# Altium PCB Board_Layout_Test.PcbDoc (part 1 of 2)
Units mil, origin at the board's own origin, x right, y up, seen from the top; angles counter-clockwise.
Board outline 4520 x 2430 mil, 4 copper layers (Top Layer, Power, Ground, Bottom Layer); 163 components, 141 nets, 661 pads, 470 vias.
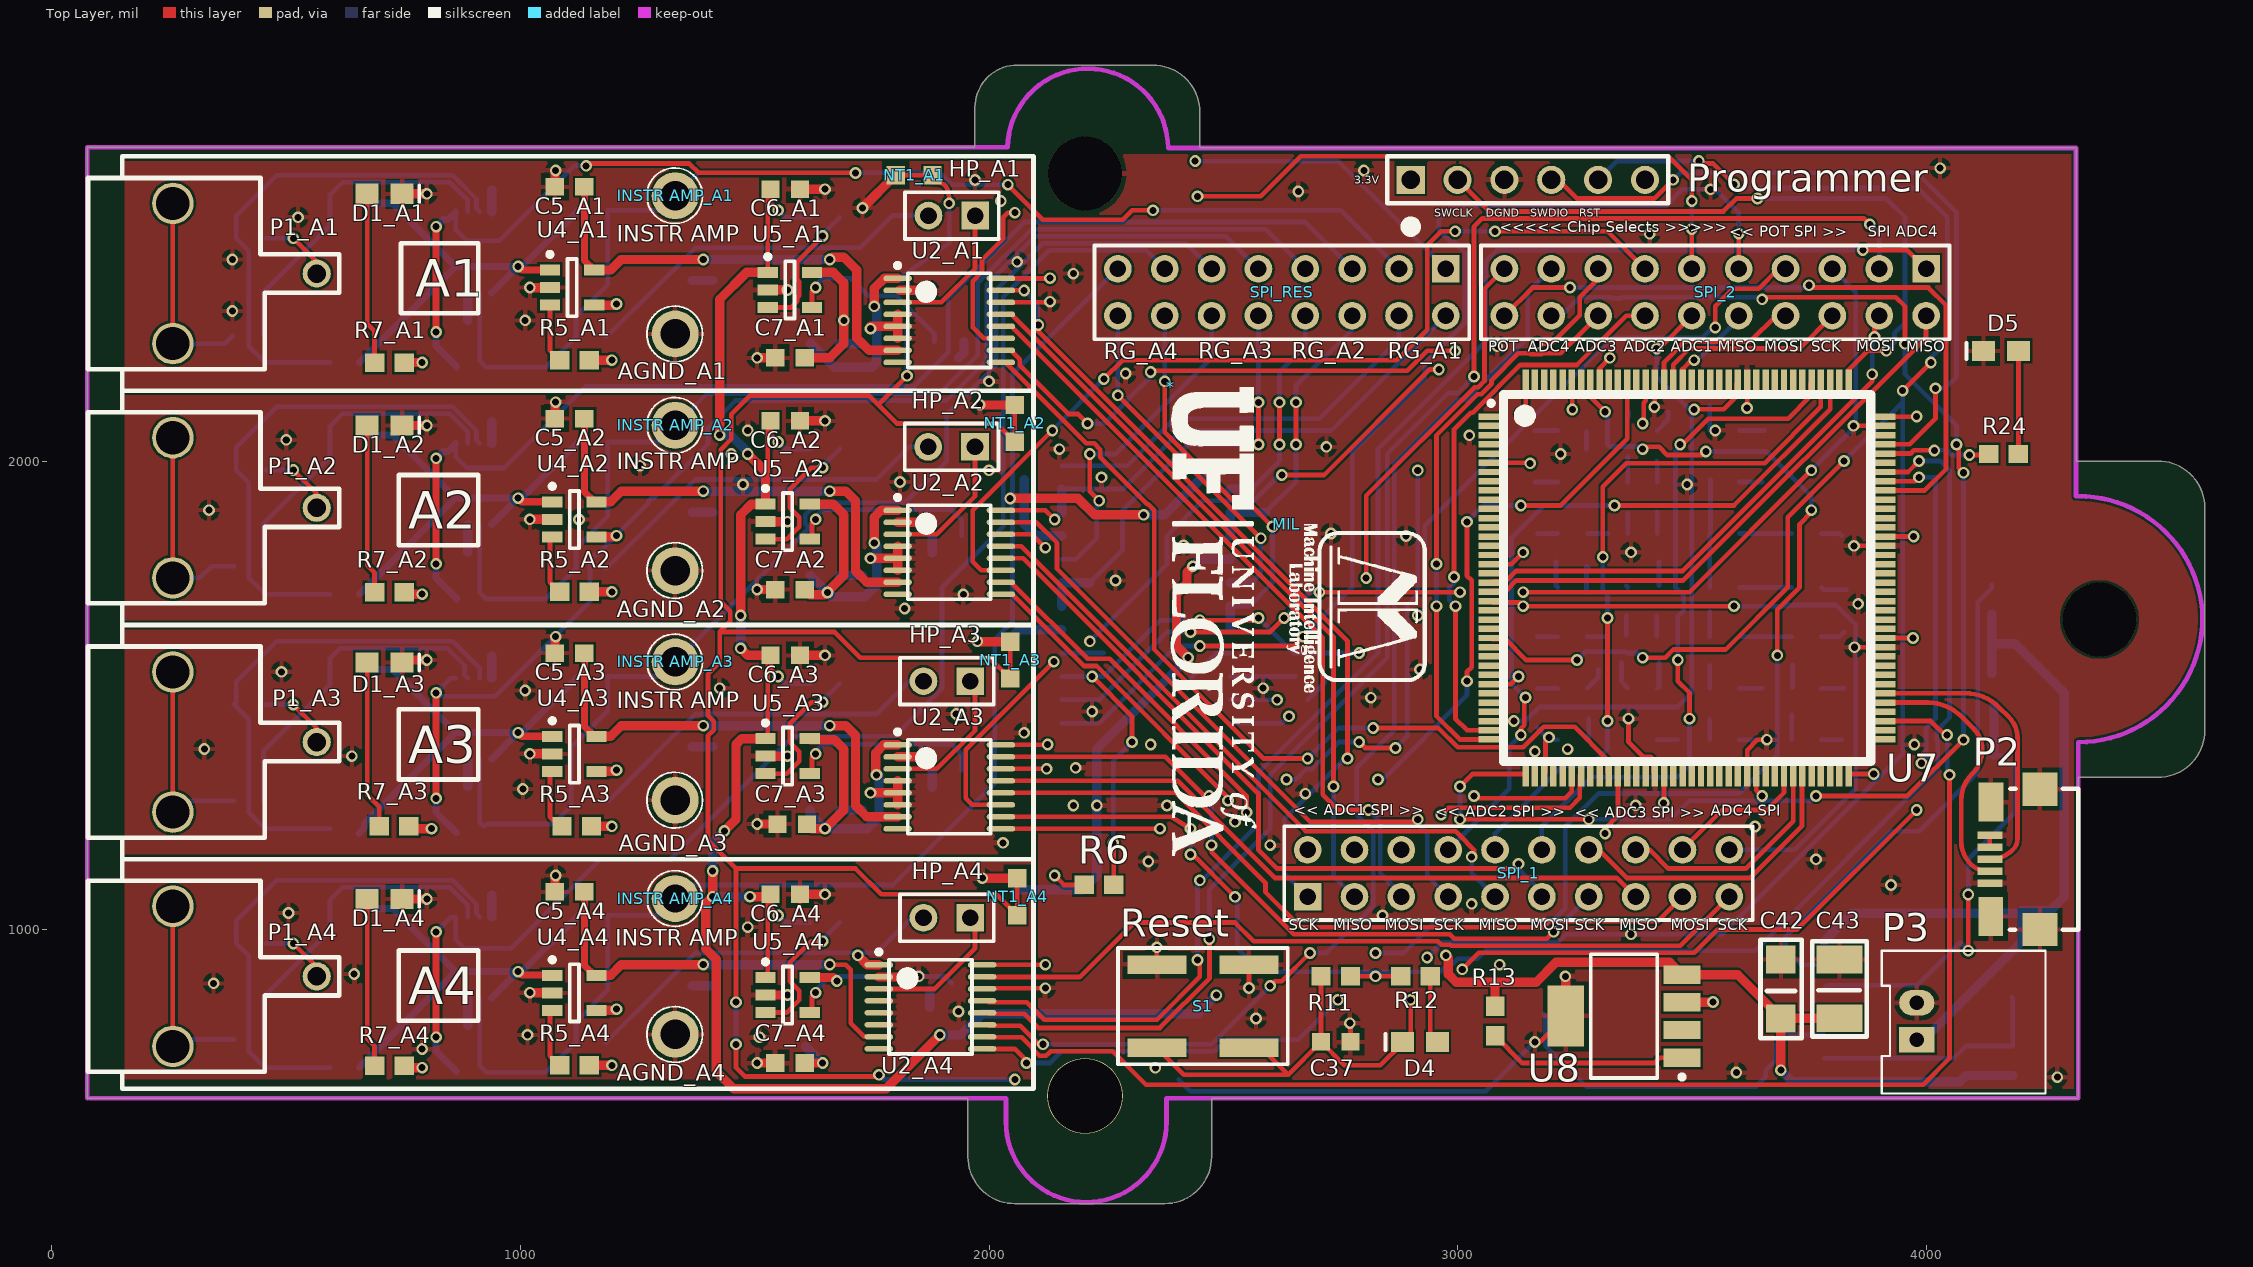
[diagram p0: Top Layer view]
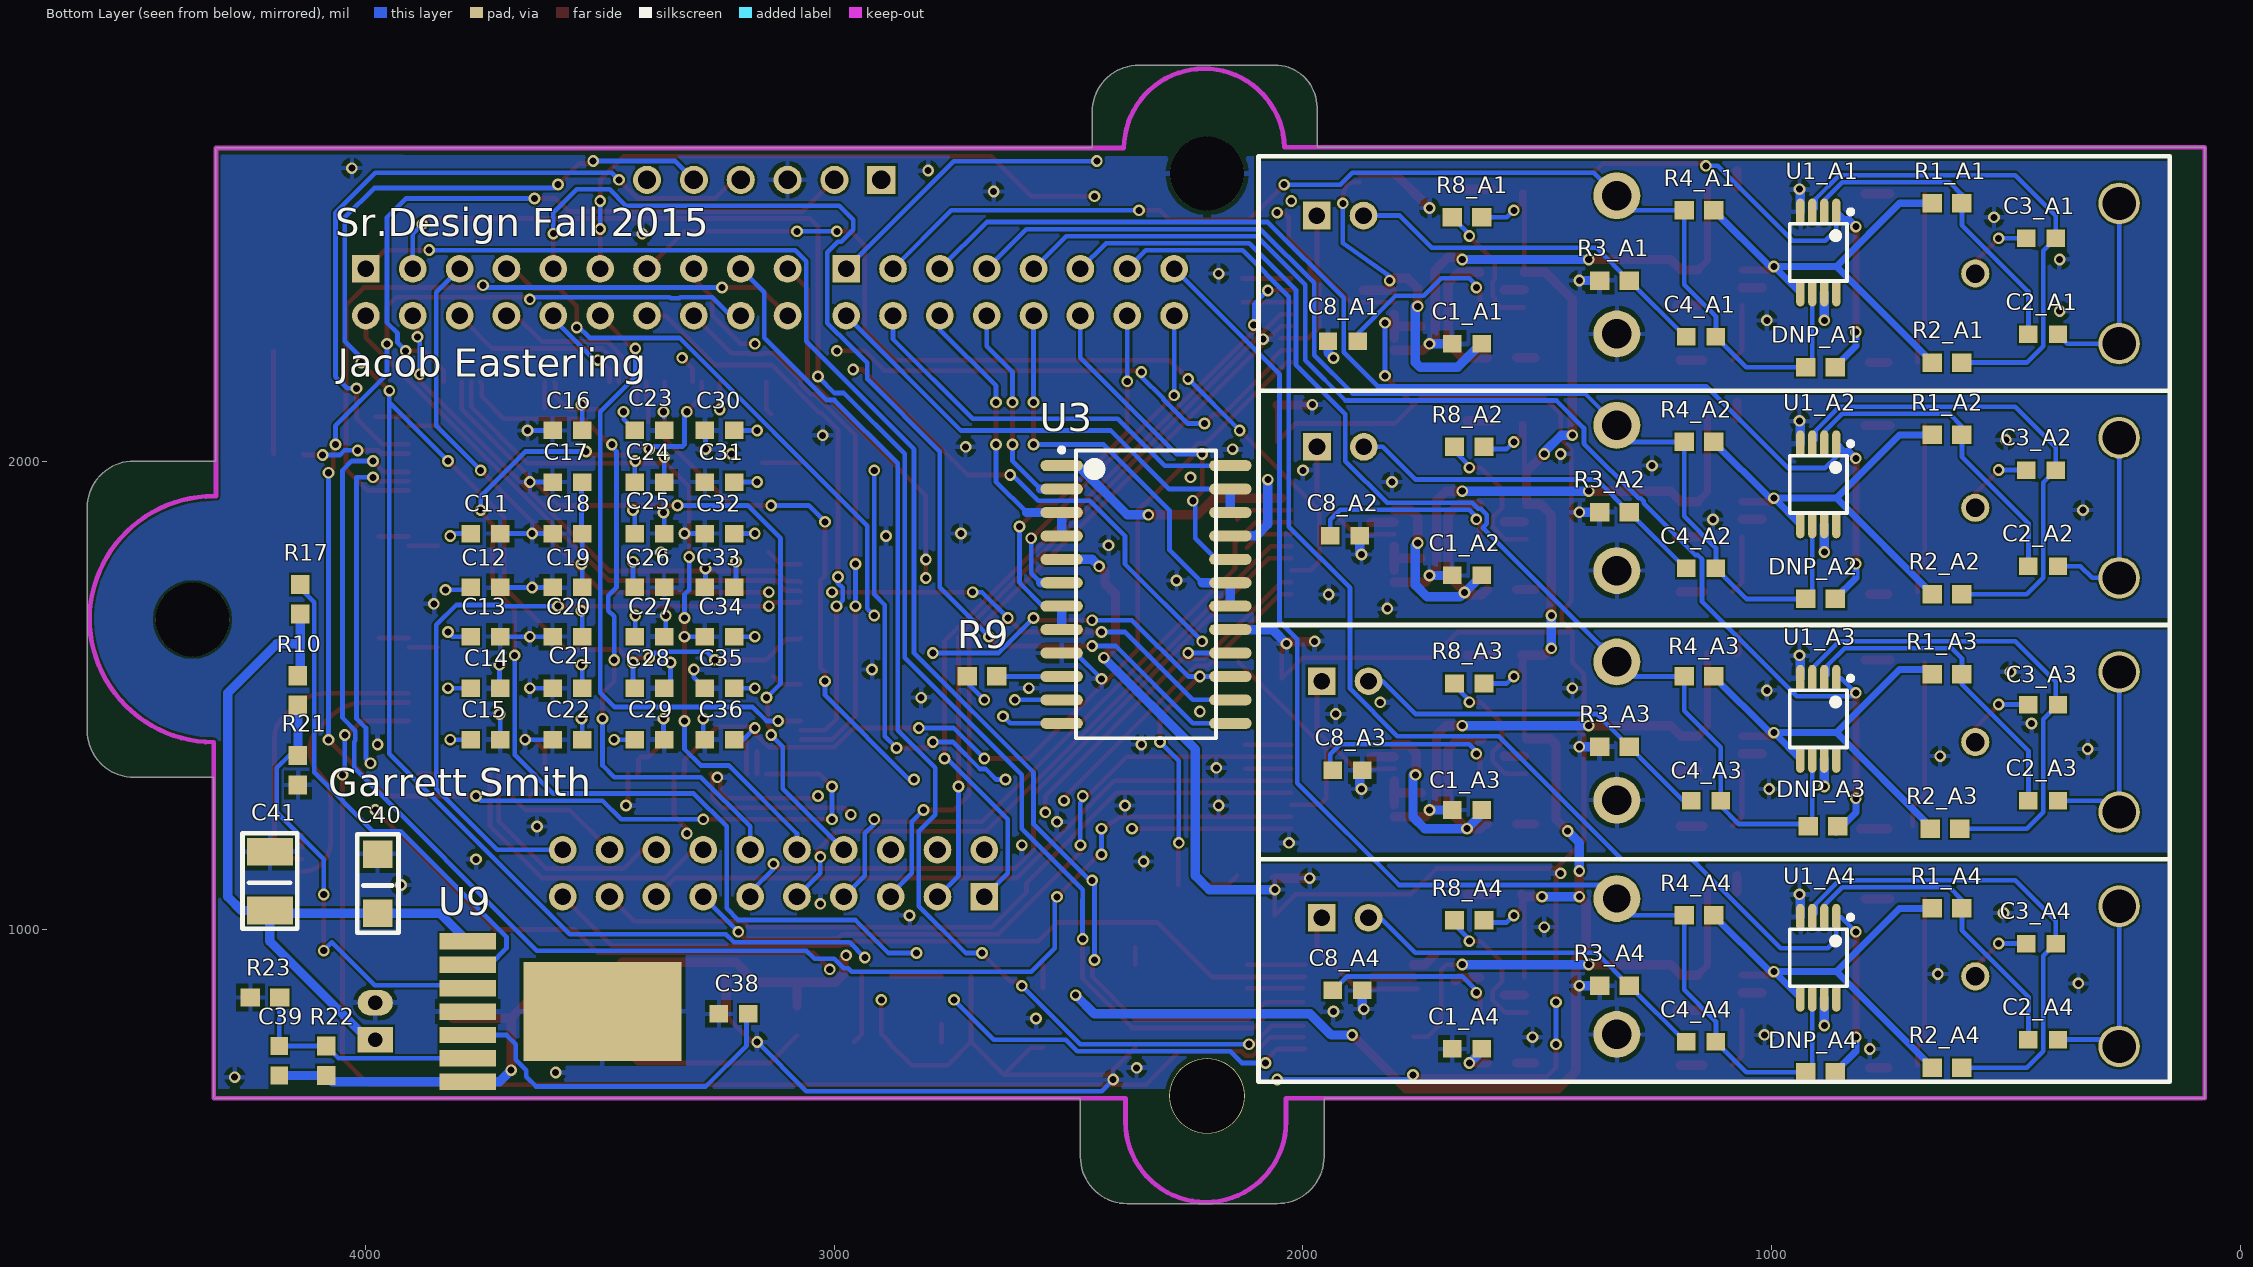
[diagram p1: Bottom Layer view, seen from below]
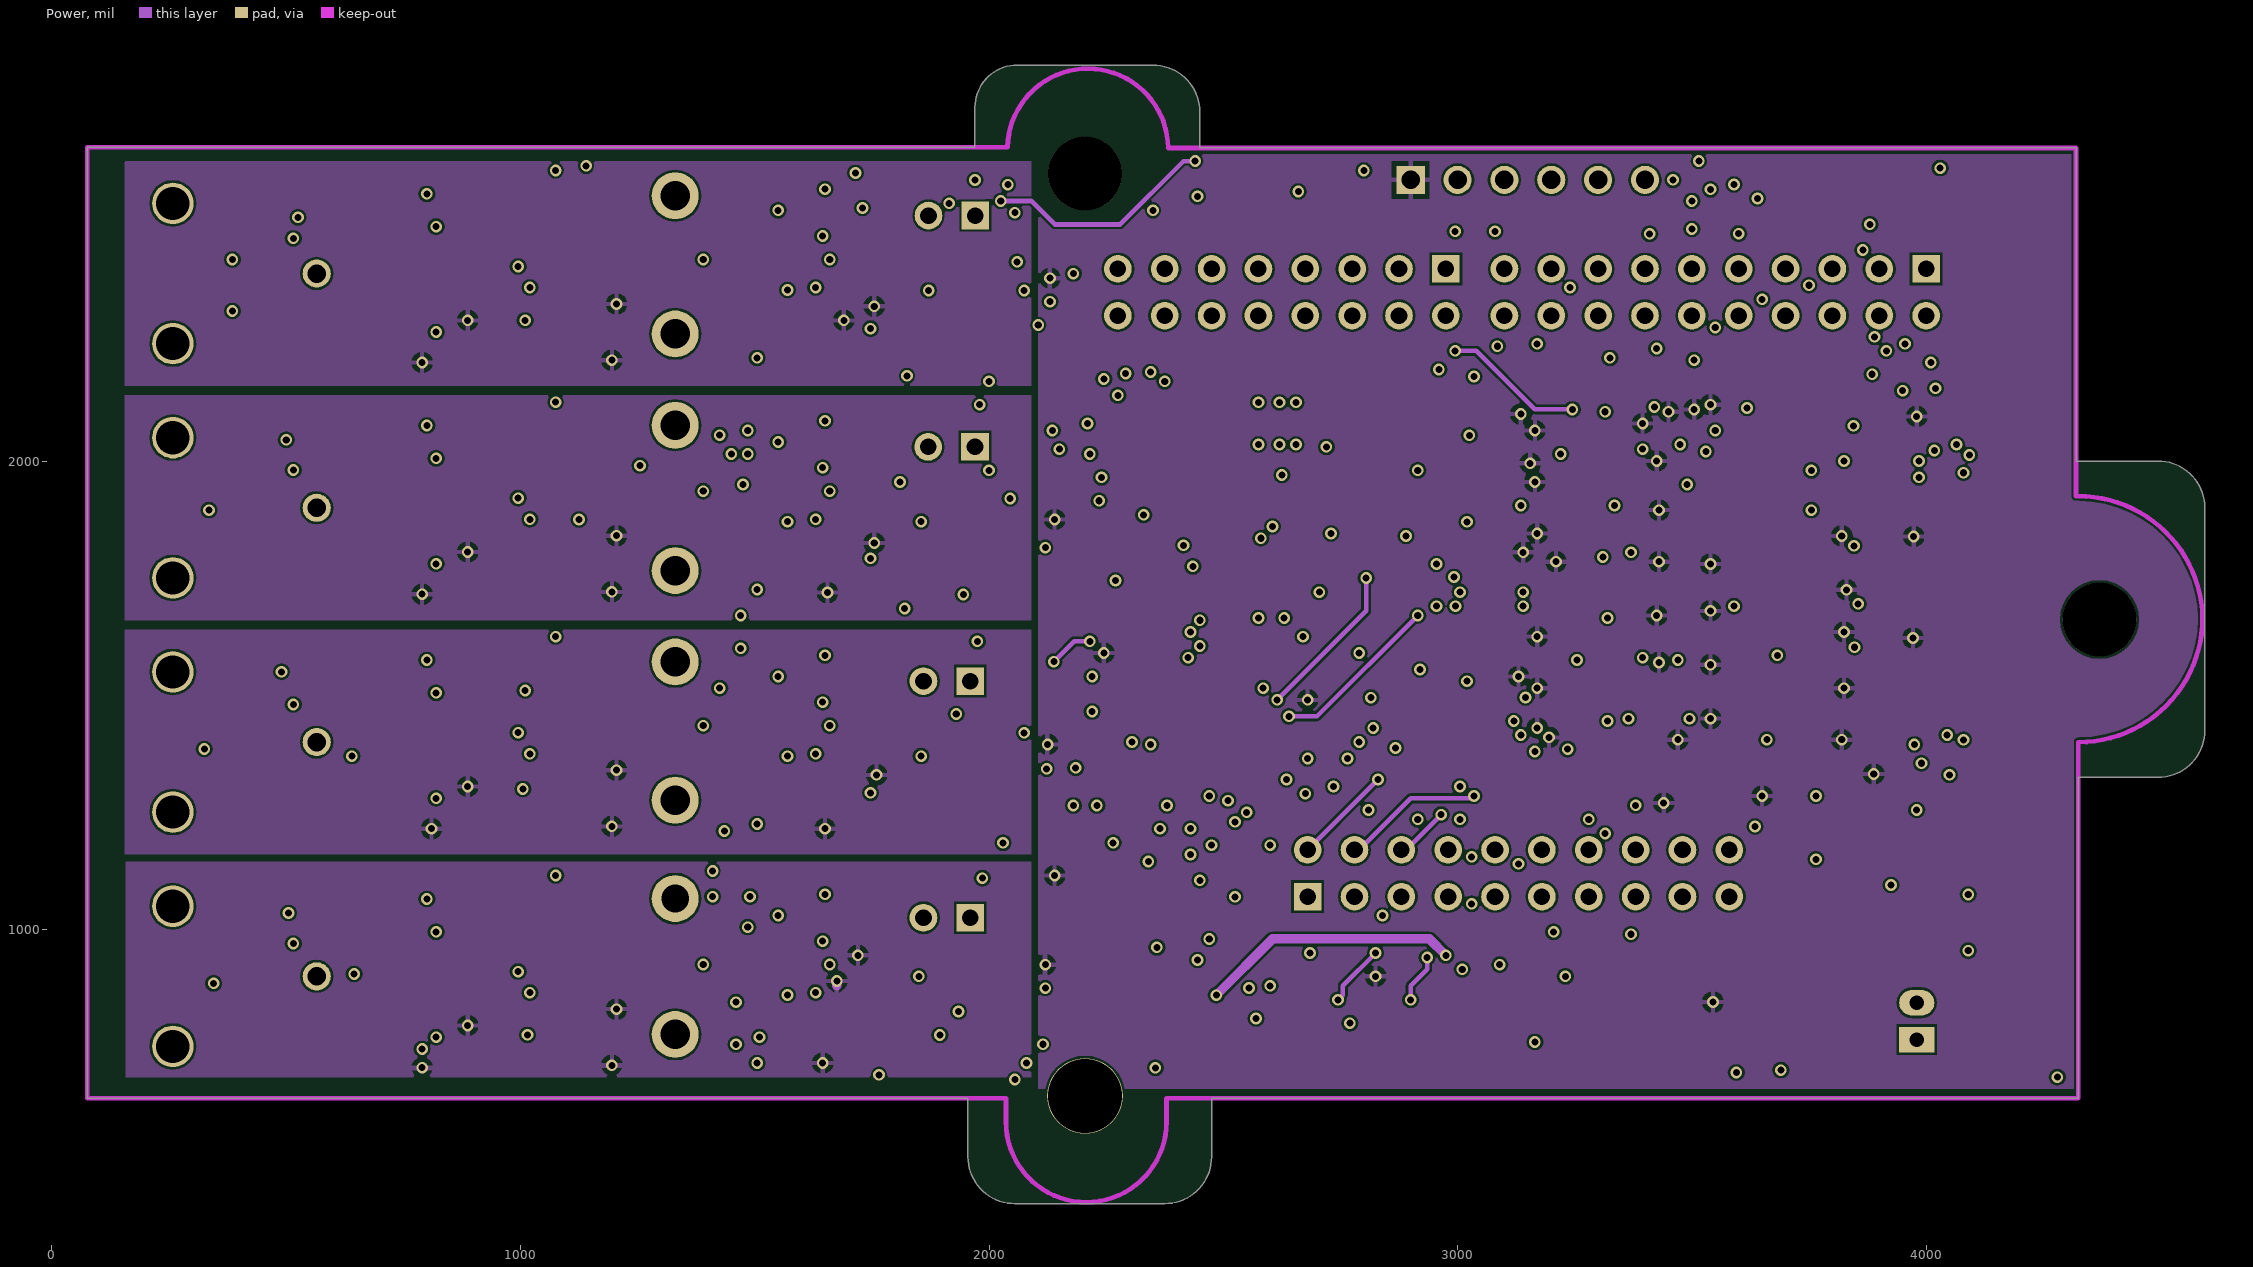
[diagram p2: Power]
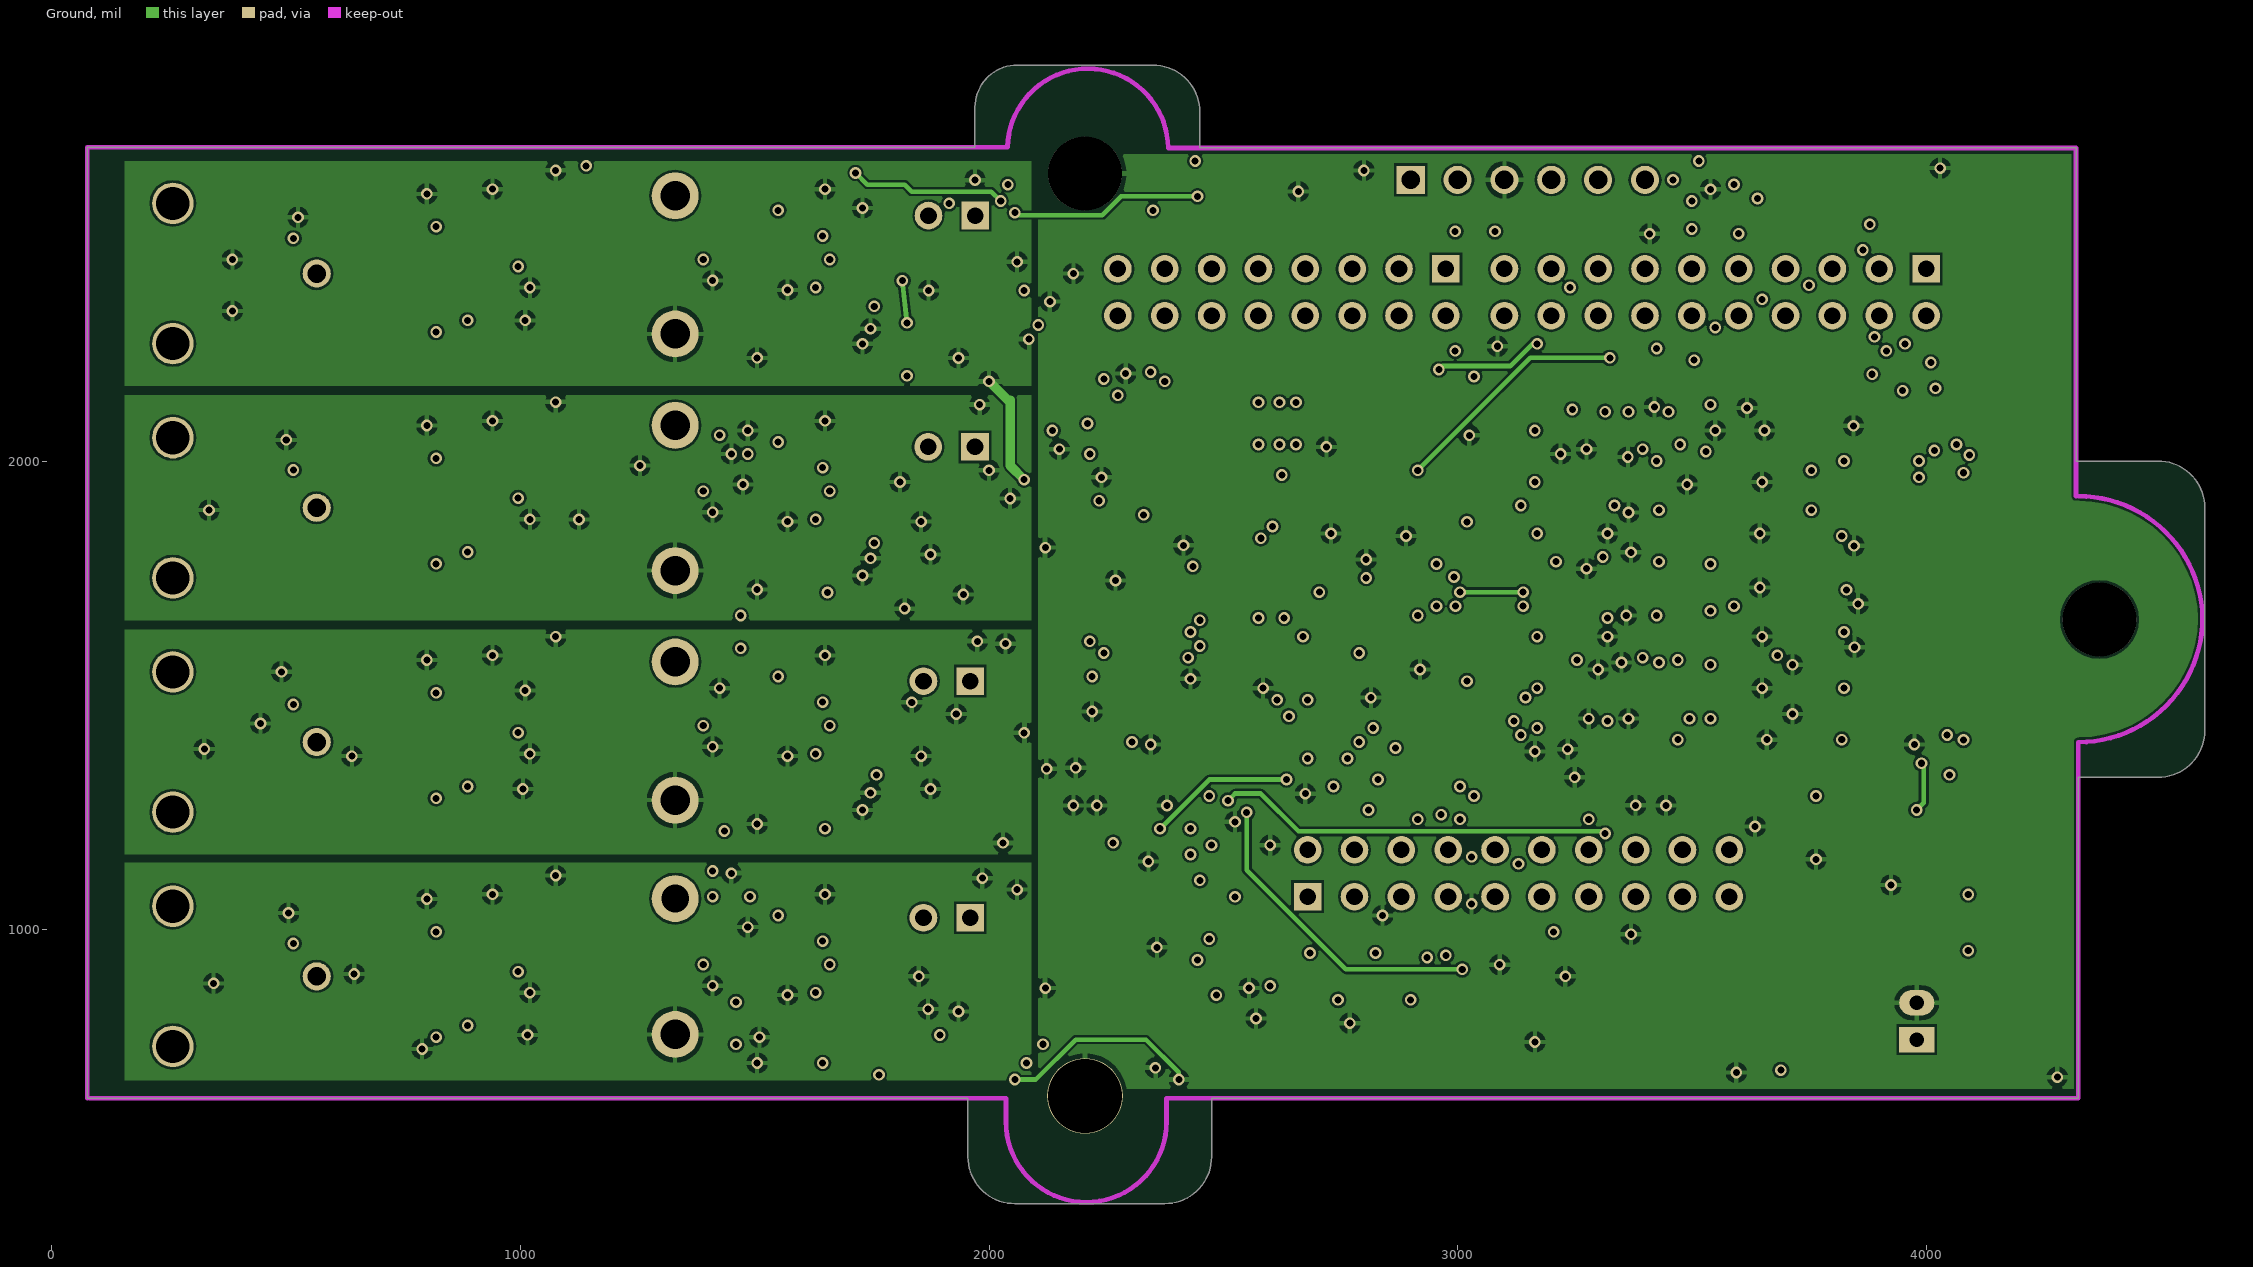
[diagram p3: Ground]

## Layer stack, top to bottom
Top Layer: signal copper 1.4
Dielectric: core 12.6, FR-4, Dk 4.8
Power: signal copper 1.4
Dielectric: prepreg 12.6, FR-4, Dk 4.8
Ground: signal copper 1.4
Dielectric: core 12.6, FR-4, Dk 4.8
Bottom Layer: signal copper 1.4

## Board outline
4325,640 2475,640 2475,525 2475,515 cw(c2375,515) 2375,415 2205,415 2055,415 cw(c2055,515) 1955,515 1955,640.05 75,640.05 75,2670 1970,2670 1970,2755 cw(c2060,2755) 2060,2845 2205,2845 2350,2845 cw(c2350,2745) 2450,2745 2450,2668.22 4320,2668.22 4320,2000 4495,2000 cw(c4495,1900) 4595,1900 4595,1670 4595,1425 cw(c4495,1425) 4495,1325 4325,1325 4325,640

## Design rules (kind name [scope] priority, off if disabled: settings)
Clearance [All] p1: gap=5
HoleSize [All] p1: absolutevalues=TRUE maxlimit=160 minlimit=1 maxpercent=80.000 minpercent=20.000
PolygonConnect [All] p1: connectstyle=Relief reliefconductorwidth=10 reliefentries=4 polygonreliefangle="90 Angle" airgapwidth=10
RoomDefinition A2 [InComponentClass('A2')] p1: confinementstyle=ConfineIn formatcopy=TRUE lockcomponents=FALSE outline 50,1655.73 2090,1655.73 2090,2155.73 50,2155.73
RoomDefinition A1 [InComponentClass('A1')] p2: confinementstyle=ConfineIn formatcopy=TRUE lockcomponents=FALSE outline 50,2150.21 2090,2150.21 2090,2650.21 50,2650.21
RoomDefinition A4 [InComponentClass('A4')] p3: confinementstyle=ConfineIn formatcopy=TRUE lockcomponents=FALSE outline 50,645.21 2090,645.21 2090,1145.21 50,1145.21
RoomDefinition A3 [InComponentClass('A3')] p4: confinementstyle=ConfineIn formatcopy=TRUE lockcomponents=FALSE outline 50,1155.21 2090,1155.21 2090,1655.21 50,1655.21
RoutingCorners [All] p1: cornerstyle=Round minsetback=100 maxsetback=100
RoutingVias [All] p1: holewidth=15 width=25 viastyle="Through Hole" minholewidth=15 minwidth=25 maxholewidth=28 maxwidth=50
SilkToSolderMaskClearance [IsPad] p1: minsilkscreentomaskgap=4.92 clearancetoexposedcopper=TRUE
SolderMaskExpansion [All] p1: expansion=4
Width [All] p1: maxlimit=20 minlimit=10 preferedwidth=10
Width APWR [InNetClass('APower')] p2: maxlimit=20 minlimit=20 preferedwidth=20
Width AGND [InNetClass('AGround')] p3: maxlimit=20 minlimit=10 preferedwidth=20
25 further rules are at their usual default settings.

## Classes and differential pairs
component class Top_Level_Test: * MIL
channel class Analog_Test: A1 A2 A3 A4
component class U_Digital: C11 C12 C13 C14 C15 C16 C17 C18 C19 C20 C21 C22 C23 C24 C25 C26 C27 C28 C29 C30 C31 C32 C33 C34 C35 C36 C37 C38 C39 C40 C41 C42 C43 D4 D5 P2 P3 Programmer R6 R9 R10 R11 R12 R13 R17 R21 R22 R23 R24 S1 SPI_1 SPI_2 SPI_RES U3 U7 U8 U9
net class APower: 4.2V_A1 4.2V_A2 4.2V_A3 4.2V_A4
net class AGround: AGND1 AGND2 AGND3 AGND4
component class A4: AGND AGND_A4 C1_A4 C1_U_Analog1 C2_A4 C2_U_Analog1 C3_A4 C3_U_Analog1 C4_A4 C4_U_Analog1 C5_A4 C5_U_Analog1 C6_A4 C6_U_Analog1 C7_A4 C7_U_Analog1 C8_A4 C8_U_Analog1 D1 D1_A4 DNP DNP_A4 HP HP_A4 "INSTR AMP_A4" NT1_A4 P1_A4 R1_A4 R1_U_Analog1 R2_A4 R2_U_Analog1 R3_A4 R3_U_Analog1 R4_A4 R4_U_Analog1 R5_A4 R5_U_Analog1 R6_U_Analog1 R7_A4 R8_A4 T1_U_Analog1 U1_A4 U2 U2_A4 U4_A4 U5_A4
component class A3: AGND AGND_A3 C1_A3 C1_U_Analog2 C2_A3 C2_U_Analog2 C3_A3 C3_U_Analog2 C4_A3 C4_U_Analog2 C5_A3 C5_U_Analog2 C6_A3 C6_U_Analog2 C7_A3 C7_U_Analog2 C8_A3 C8_U_Analog2 D1 D1_A3 DNP DNP_A3 HP HP_A3 "INSTR AMP_A3" NT1_A3 P1_A3 R1_A3 R1_U_Analog2 R2_A3 R2_U_Analog2 R3_A3 R3_U_Analog2 R4_A3 R4_U_Analog2 R5_A3 R5_U_Analog2 R6_U_Analog2 R7_A3 R8_A3 T1_U_Analog2 U1_A3 U2 U2_A3 U4_A3 U5_A3
component class A2: AGND AGND_A2 C1_A2 C1_U_Analog3 C2_A2 C2_U_Analog3 C3_A2 C3_U_Analog3 C4_A2 C4_U_Analog3 C5_A2 C5_U_Analog3 C6_A2 C6_U_Analog3 C7_A2 C7_U_Analog3 C8_A2 C8_U_Analog3 D1 D1_A2 DNP DNP_A2 HP HP_A2 "INSTR AMP_A2" NT1_A2 P1_A2 R1_A2 R1_U_Analog3 R2_A2 R2_U_Analog3 R3_A2 R3_U_Analog3 R4_A2 R4_U_Analog3 R5_A2 R5_U_Analog3 R6_U_Analog3 R7_A2 R8_A2 T1_U_Analog3 U1_A2 U2 U2_A2 U4_A2 U5_A2
component class A1: AGND AGND_A1 C1_A1 C1_U_Analog4 C2_A1 C2_U_Analog4 C3_A1 C3_U_Analog4 C4_A1 C4_U_Analog4 C5_A1 C5_U_Analog4 C6_A1 C6_U_Analog4 C7_A1 C7_U_Analog4 C8_A1 C8_U_Analog4 D1 D1_A1 DNP DNP_A1 HP HP_A1 "INSTR AMP_A1" NT1_A1 P1_A1 R1_A1 R1_U_Analog4 R2_A1 R2_U_Analog4 R3_A1 R3_U_Analog4 R4_A1 R4_U_Analog4 R5_A1 R5_U_Analog4 R6_U_Analog4 R7_A1 R8_A1 T1_U_Analog4 U1_A1 U2 U2_A1 U4_A1 U5_A1

## Components (designator, comment, footprint, x,y, rotation, side; value= is the part's Value field where it differs from the comment)
* "UF LOGO" "UF LOGO-1000" 2387.62,2157.6 r270 top
AGND_A1 "Test_Point" TP#1 1330,2270.21 r90 top (schematic designator AGND)
AGND_A2 "Test_Point" TP#1 1330,1765.21 r90 top (schematic designator AGND)
AGND_A3 "Test_Point" TP#1 1330,1275.21 r90 top (schematic designator AGND)
AGND_A4 "Test_Point" TP#1 1330,775.21 r90 top (schematic designator AGND)
C1_A1 "Cap" CAPC0603 1650,2250.21 r180 bottom (schematic designator C1)
C1_A2 "Cap" CAPC0603 1650,1755.73 r180 bottom (schematic designator C1)
C1_A3 "Cap" CAPC0603 1650,1255.21 r180 bottom (schematic designator C1)
C1_A4 "Cap" CAPC0603 1650,745.21 r180 bottom (schematic designator C1)
C2_A1 "Cap" CAPC0603 420,2270.21 r0 bottom (schematic designator C2)
C2_A2 "Cap" CAPC0603 420,1775.73 r0 bottom (schematic designator C2)
C2_A3 "Cap" CAPC0603 420,1275.21 r0 bottom (schematic designator C2)
C2_A4 "Cap" CAPC0603 420,765.21 r0 bottom (schematic designator C2)
C3_A1 "Cap" CAPC0603 425,2475.21 r180 bottom (schematic designator C3)
C3_A2 "Cap" CAPC0603 425,1980.73 r180 bottom (schematic designator C3)
C3_A3 "Cap" CAPC0603 420,1480.21 r180 bottom (schematic designator C3)
C3_A4 "Cap" CAPC0603 425,970.21 r180 bottom (schematic designator C3)
C4_A1 "Cap" CAPC0603 1150,2265.21 r0 bottom (schematic designator C4)
C4_A2 "Cap" CAPC0603 1150,1770.73 r0 bottom (schematic designator C4)
C4_A3 "Cap" CAPC0603 1140,1275.21 r0 bottom (schematic designator C4)
C4_A4 "Cap" CAPC0603 1150,760.21 r0 bottom (schematic designator C4)
C5_A1 "Cap" CAPC0603 1105,2585.21 r0 top (schematic designator C5)
C5_A2 "Cap" CAPC0603 1105,2090.73 r0 top (schematic designator C5)
C5_A3 "Cap" CAPC0603 1105,1590.21 r0 top (schematic designator C5)
C5_A4 "Cap" CAPC0603 1105,1080.21 r0 top (schematic designator C5)
C6_A1 "Cap" CAPC0603 1565,2580.21 r180 top (schematic designator C6)
C6_A2 "Cap" CAPC0603 1565,2085.73 r180 top (schematic designator C6)
C6_A3 "Cap" CAPC0603 1565,1585.21 r180 top (schematic designator C6)
C6_A4 "Cap" CAPC0603 1565,1075.21 r180 top (schematic designator C6)
C7_A1 "Cap" CAPC0603 1575,2220.21 r0 top (schematic designator C7)
C7_A2 "Cap" CAPC0603 1575,1725.73 r0 top (schematic designator C7)
C7_A3 "Cap" CAPC0603 1580,1225.21 r0 top (schematic designator C7)
C7_A4 "Cap" CAPC0603 1575,715.21 r0 top (schematic designator C7)
C8_A1 "Cap" CAPC0603 1915,2255.21 r180 bottom (schematic designator C8)
C8_A2 "Cap" CAPC0603 1910,1840.73 r0 bottom (schematic designator C8)
C8_A3 "Cap" CAPC0603 1905,1340.21 r0 bottom (schematic designator C8)
C8_A4 "Cap" CAPC0603 1905,870.21 r0 bottom (schematic designator C8)
C11 "Cap" CAPC0603 3745,1845.21 r180 bottom
C12 "Cap" CAPC0603 3745,1730.21 r180 bottom
C13 "Cap" CAPC0603 3745,1625.21 r180 bottom
C14 "Cap" CAPC0603 3745,1515.21 r180 bottom
C15 "Cap" CAPC0603 3745,1405.21 r180 bottom
C16 "Cap" CAPC0603 3570,2065.21 r0 bottom
C17 "Cap" CAPC0603 3570,1955.21 r0 bottom
C18 "Cap" CAPC0603 3570,1845.21 r0 bottom
C19 "Cap" CAPC0603 3570,1730.21 r0 bottom
C20 "Cap" CAPC0603 3570,1625.21 r0 bottom
C21 "Cap" CAPC0603 3570,1515.21 r0 bottom
C22 "Cap" CAPC0603 3570,1405.21 r0 bottom
C23 "Cap" CAPC0603 3395,2065.21 r180 bottom
C24 "Cap" CAPC0603 3395,1955.21 r180 bottom
C25 "Cap" CAPC0603 3395,1845.21 r180 bottom
C26 "Cap" CAPC0603 3395,1730.21 r180 bottom
C27 "Cap" CAPC0603 3395,1625.21 r180 bottom
C28 "Cap" CAPC0603 3395,1515.21 r180 bottom
C29 "Cap" CAPC0603 3395,1405.21 r180 bottom
C30 "Cap" CAPC0603 3245,2065.21 r0 bottom
C31 "Cap" CAPC0603 3245,1955.21 r0 bottom
C32 "Cap" CAPC0603 3245,1845.21 r0 bottom
C33 "Cap" CAPC0603 3245,1730.21 r0 bottom
C34 "Cap" CAPC0603 3245,1625.21 r0 bottom
C35 "Cap" CAPC0603 3245,1515.21 r0 bottom
C36 "Cap" CAPC0603 3245,1405.21 r0 bottom
C37 "Cap" CAPC0603 2740,760.21 r0 top
C38 "Cap" CAPC0603 3215,820 r180 bottom
C39 "Cap" CAPC0603 4185,720 r270 bottom
C40 "Cap1206" CAP1206 3975,1035 r270 bottom
C41 "CAP1210" CAP1210 4205,1040 r270 bottom
C42 "Cap1206" CAP1206 3690,810 r270 top
C43 "CAP1210" CAP1210 3815,810 r270 top
D1_A1 "LED-RED" LED0805-RED 710,2570.21 r180 top (schematic designator D1)
D1_A2 "LED-RED" LED0805-RED 710,2075.73 r180 top (schematic designator D1)
D1_A3 "LED-RED" LED0805-RED 710,1570.21 r180 top (schematic designator D1)
D1_A4 "LED-RED" LED0805-RED 710,1065.21 r180 top (schematic designator D1)
D4 "LED-RED" LED0805-RED 2920,760.21 r0 top
D5 "LED-RED" LED0805-RED 4160,2235 r0 top
DNP_A1 "Res" RES0603 895,2200.21 r0 bottom (schematic designator DNP)
DNP_A2 "Res" RES0603 895,1705.73 r0 bottom (schematic designator DNP)
DNP_A3 "Res" RES0603 890,1220.21 r0 bottom (schematic designator DNP)
DNP_A4 "Res" RES0603 895,695.21 r0 bottom (schematic designator DNP)
HP_A1 "Header 2" HDR1X2 1970.73,2523.9 r180 top (schematic designator HP)
HP_A2 "Header 2" HDR1X2 1970,2030.21 r180 top (schematic designator HP)
HP_A3 "Header 2" HDR1X2 1960,1530.21 r180 top (schematic designator HP)
HP_A4 "Header 2" HDR1X2 1960,1025.21 r180 top (schematic designator HP)
"INSTR AMP_A1" "Test_Point" TP#1 1330,2565.21 r90 top (schematic designator "INSTR AMP")
"INSTR AMP_A2" "Test_Point" TP#1 1330,2075.21 r90 top (schematic designator "INSTR AMP")
"INSTR AMP_A3" "Test_Point" TP#1 1330,1570.21 r90 top (schematic designator "INSTR AMP")
"INSTR AMP_A4" "Test_Point" TP#2 1330,1065.21 r90 top (schematic designator "INSTR AMP")